# Altium PCB WS2812_MATRIX.PcbDoc (part 4 of 4) (continued)
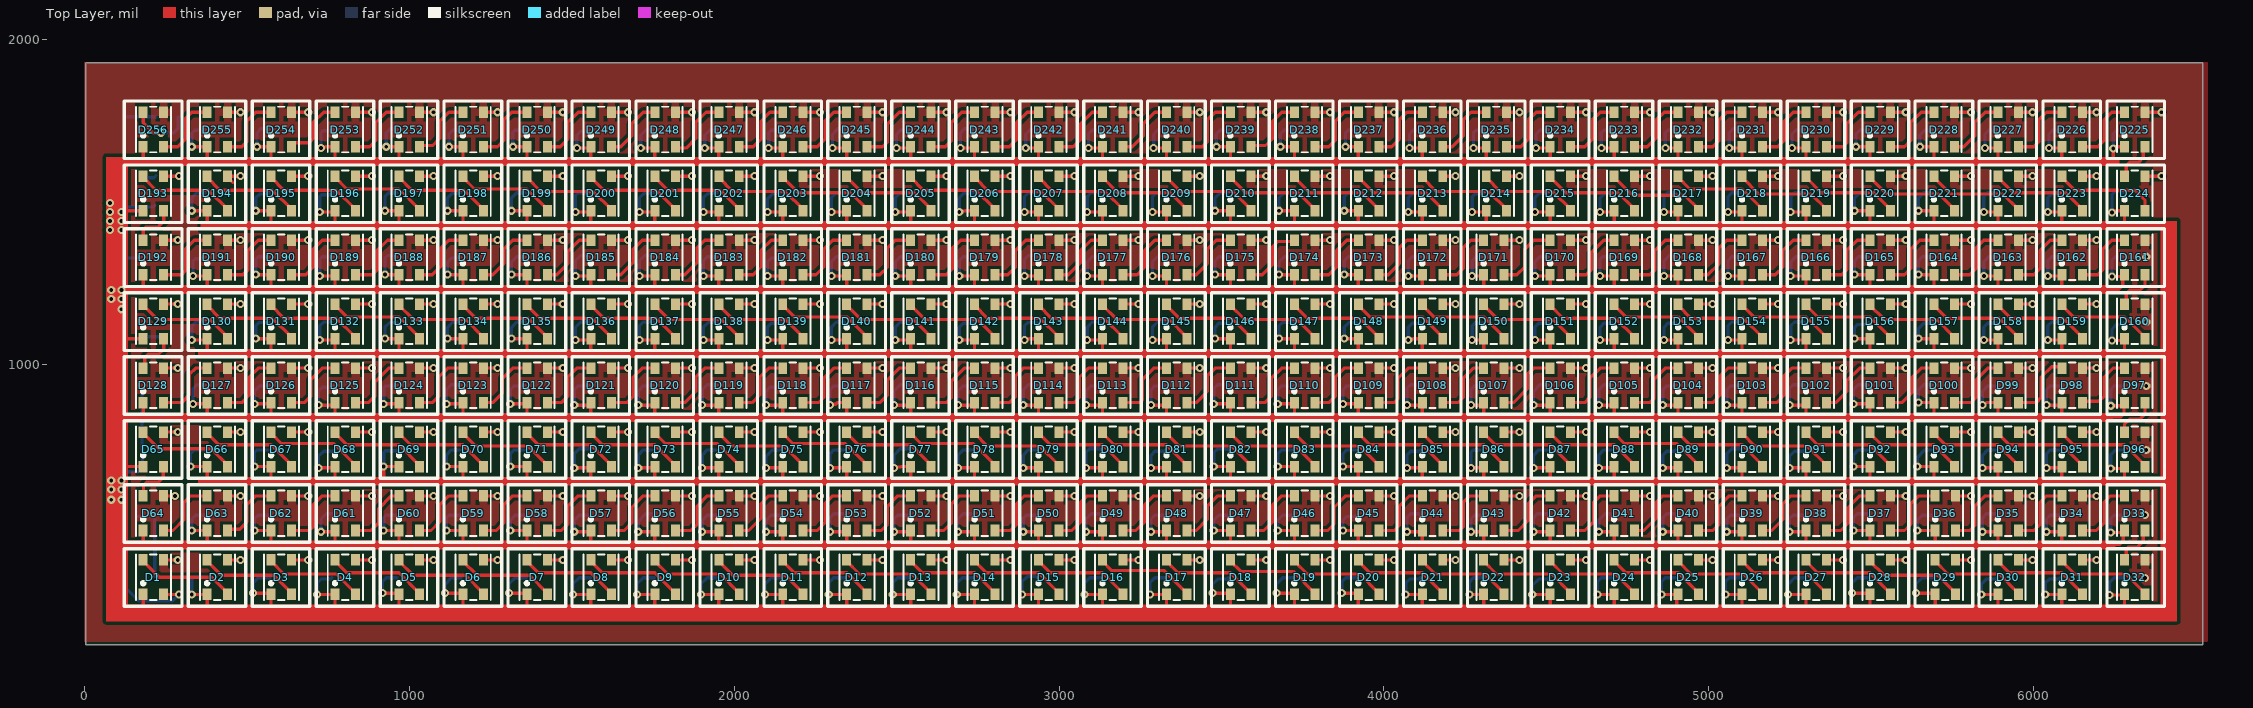
[diagram p0: Top Layer view]
## Nets (pads, with @x,y where several pads share a name; then routed paths per layer and width w, separated by ;. In a path a pad name is that pad's centre, name@x,y a point inside that pad or via, vN(x,y) a via of type N, cw(c..) or ccw(c..) an arc to the next point about the centre after c; other vN are vias at no path point) (continued)
  Bottom Layer w10: 110.24,665.35 114.17,669.29 165.35,669.29 179.03,682.97 C12.1@179.03,736.22 177.17,738.09 C113.1@177.17,905.51 ; v1(114.17,1413.39) 114.17,1342.52 129.92,1326.77 175.1,1326.77 C153.1@179.03,1330.71 ; 133.86,1484.25 212.6,1484.25 C2.1@216.54,1488.19 ; 164.02,531.34 164.17,531.5 C72.1@218.4,531.5 214.47,527.56 216.54,525.49 C114.1@216.54,346.46 ; 173.43,1573.92 213.78,1573.92 C256.1@220.47,1580.61 ; 198.92,1084.54 C71.1@244.09,1084.54 ; v1(326.77,685.04) 326.77,724.41 338.58,736.22 C23.1@374.02,736.22 ; v1(330.71,291.34) 330.71,322.83 330.71,338.58 338.58,346.46 370.08,346.46 C160.1@374.02,342.52 ; v1(330.71,488.19) 330.71,523.62 342.52,535.43 C159.1@374.02,535.43 ; v1(330.71,1074.8) 330.71,1118.11 342.52,1129.92 372.32,1129.92 C185.1@374.02,1128.23 ; v1(330.71,1472.44) 330.71,1511.81 346.46,1527.56 C103.1@374.02,1527.56 ; v1(330.71,1669.29) 330.71,1711.16 340.02,1720.47 C230.1@374.02,1720.47 C230.1@361.52,1707.97 ; v1(334.65,877.95) 334.65,925.2 346.46,937.01 370.08,937.01 C91.1@374.02,933.07 ; v1(334.65,1271.65) 334.65,1318.9 340.5,1324.76 368.06,1324.76 C90.1@374.02,1330.71 ; v1(519.69,295.28) 519.69,326.77 535.43,342.52 C127.1@570.87,342.52 ; v1(523.62,488.19) 523.62,523.62 535.43,535.43 C191.1@570.87,535.43 ; v1(523.62,685.04) 523.62,728.35 531.5,736.22 C22.1@570.87,736.22 ; v1(523.62,877.95) 523.62,917.32 539.37,933.07 C92.1@570.87,933.07 ; v1(527.56,1078.74) 527.56,1118.92 536.87,1128.23 C154.1@570.87,1128.23 ; v1(527.56,1275.59) 527.56,1322.84 535.43,1330.71 C89.1@570.87,1330.71 ; v1(527.56,1472.44) 527.56,1511.81 539.37,1523.62 566.93,1523.62 C231.1@570.87,1527.56 ; v1(531.5,1669.29) 531.5,1712.6 543.31,1724.41 C229.1@570.87,1724.41 ; v1(716.54,291.34) 716.54,326.77 728.35,338.58 757.77,338.58 C96.1@761.71,342.52 ; v1(720.47,681.1) 720.47,716.53 736.22,732.28 765.65,732.28 C44.1@769.58,736.22 ; v1(720.47,874.02) 720.47,917.32 732.28,929.13 765.65,929.13 C121.1@769.58,933.07 ; v1(724.41,1074.8) 724.41,1118.11 736.22,1129.92 760.01,1129.92 C61.1@761.71,1128.23 ; v1(724.41,1271.65) 724.41,1322.84 732.28,1330.71 C210.1@769.58,1330.71 ; v1(724.41,1468.5) 724.41,1515.75 730.27,1521.61 763.63,1521.61 C232.1@769.58,1527.56 ; v1(728.35,484.25) 728.35,523.62 744.09,539.37 765.65,539.37 C80.1@769.58,535.43 ; v1(728.35,1665.35) 728.35,1712.6 734.2,1718.46 763.63,1718.46 C228.1@769.58,1724.41 ; v1(917.32,295.28) 917.32,330.71 929.13,342.52 C82.1@962.5,342.52 ; v1(921.26,488.19) 921.26,528.2 928.5,535.43 C24.1@962.5,535.43 ; v1(921.26,685.04) 921.26,728.35 926.83,733.91 960.19,733.91 C43.1@962.5,736.22 ; v1(921.26,877.95) 921.26,927.21 927.12,933.07 C155.1@962.5,933.07 ; v1(925.2,1078.74) 925.2,1114.17 939.25,1128.23 C184.1@962.5,1128.23 ; v1(925.2,1275.59) 925.2,1326.77 933.07,1334.65 958.56,1334.65 C238.1@962.5,1330.71 ; v1(925.2,1472.44) 925.2,1515.75 937.01,1527.56 C233.1@962.5,1527.56 ; v1(929.13,1669.29) 929.13,1712.6 940.94,1724.41 958.56,1724.41 C227.1@962.5,1720.47 ; v1(1110.24,295.28) 1110.24,322.78 1129.98,342.52 C192.1@1159.35,342.52 ; v1(1114.17,488.19) 1114.17,527.56 1122.05,535.43 C8.1@1159.35,535.43 ; v1(1114.17,685.04) 1114.17,720.47 1129.92,736.22 C42.1@1159.35,736.22 ; v1(1114.17,877.95) 1114.17,921.26 1129.92,937.01 1155.41,937.01 C186.1@1159.35,933.07 ; v1(1118.11,1078.74) 1118.11,1114.17 1133.86,1129.92 1157.65,1129.92 C152.1@1159.35,1128.23 ; v1(1118.11,1275.59) 1118.11,1314.96 1129.92,1326.77 1155.41,1326.77 C178.1@1159.35,1330.71 ; v1(1118.11,1472.44) 1118.11,1511.81 1133.86,1527.56 C234.1@1159.35,1527.56 ; v1(1122.05,1669.29) 1122.05,1708.66 1133.86,1720.47 C226.1@1159.35,1720.47 ; v1(1307.09,295.28) 1307.09,323.47 1326.13,342.52 C224.1@1360.13,342.52 ; v1(1311.02,488.19) 1311.02,520.32 1326.13,535.43 C9.1@1360.13,535.43 ; v1(1311.02,685.04) 1311.02,724.41 1322.84,736.22 C40.1@1360.13,736.22 ; v1(1311.02,877.95) 1311.02,921.26 1322.83,933.07 C93.1@1360.13,933.07 ; v1(1314.96,1078.74) 1314.96,1114.17 1330.71,1129.92 1358.44,1129.92 C216.1@1360.13,1128.23 ; v1(1314.96,1275.59) 1314.96,1314.96 1330.71,1330.71 C209.1@1360.13,1330.71 ; v1(1314.96,1472.44) 1314.96,1511.81 1330.71,1527.56 C235.1@1360.13,1527.56 ; v1(1318.9,1669.29) 1318.9,1714.61 1324.76,1720.47 C225.1@1360.13,1720.47 ; v1(1503.94,291.34) 1503.94,323.47 1522.98,342.52 C255.1@1556.98,342.52 ; v1(1507.87,484.25) 1507.87,519.69 1519.68,531.5 1519.68,532.13 1522.98,535.43 C11.1@1556.98,535.43 ; v1(1507.87,681.1) 1507.87,724.41 1523.62,740.16 1553.05,740.16 C52.1@1556.98,736.22 ; v1(1507.87,874.02) 1507.87,921.26 1519.68,933.07 C217.1@1556.98,933.07 ; v1(1511.81,1074.8) 1511.81,1114.17 1527.56,1129.92 1555.29,1129.92 C151.1@1556.98,1128.23 ; v1(1511.81,1271.65) 1511.81,1318.9 1527.56,1334.65 1553.05,1334.65 C237.1@1556.98,1330.71 ; v1(1511.81,1468.5) 1511.81,1519.69 1519.69,1527.56 C135.1@1556.98,1527.56 ; v1(1515.75,1665.35) 1515.75,1704.72 1527.56,1716.54 1553.05,1716.54 C102.1@1556.98,1720.47 ; v1(1700.79,291.34) 1700.79,323.47 1719.83,342.52 C110.1@1753.83,342.52 ; v1(1704.72,484.25) 1704.72,515.75 1728.35,539.37 1749.9,539.37 C21.1@1753.83,535.43 ; v1(1704.72,681.1) 1704.72,720.47 1720.47,736.22 C53.1@1753.83,736.22 ; v1(1704.72,874.02) 1704.72,917.32 1720.47,933.07 C187.1@1753.83,933.07 ; v1(1708.66,1074.8) 1708.66,1118.11 1720.47,1129.92 1752.14,1129.92 C215.1@1753.83,1128.23 ; v1(1708.66,1271.65) 1708.66,1318.9 1724.41,1334.65 1749.9,1334.65 C146.1@1753.83,1330.71 ; v1(1708.66,1468.5) 1708.66,1511.81 1724.41,1527.56 C167.1@1753.83,1527.56 ; v1(1712.6,1665.35) 1712.6,1704.72 1728.35,1720.47 C101.1@1753.83,1720.47 ; v1(1897.64,291.34) 1897.64,323.47 1916.68,342.52 C111.1@1950.68,342.52 ; v1(1901.57,484.25) 1901.57,520.32 1916.68,535.43 C10.1@1950.68,535.43 ; v1(1901.57,681.1) 1901.57,720.47 1917.32,736.22 C54.1@1950.68,736.22 ; v1(1901.57,874.02) 1901.57,921.26 1917.32,937.01 1946.75,937.01 C218.1@1950.68,933.07 ; v1(1905.51,1074.8) 1905.51,1114.17 1921.26,1129.92 1948.99,1129.92 C183.1@1950.68,1128.23 ; v1(1905.51,1271.65) 1905.51,1318.9 1917.32,1330.71 C145.1@1950.68,1330.71 ; v1(1905.51,1468.5) 1905.51,1511.81 1921.26,1527.56 C168.1@1950.69,1527.56 ; v1(1909.45,1665.35) 1909.45,1704.72 1925.2,1720.47 C97.1@1950.69,1720.47 ; v1(2094.49,291.34) 2094.49,322.83 2106.3,334.65 2106.3,335.28 2113.54,342.52 C34.1@2147.54,342.52 ; v1(2098.43,484.25) 2098.43,520.32 2113.54,535.43 C20.1@2147.54,535.43 ; v1(2098.43,681.1) 2098.43,716.54 2118.11,736.22 C55.1@2147.54,736.22 ; v1(2098.43,874.02) 2098.43,917.32 2110.24,929.13 2143.6,929.13 C219.1@2147.54,933.07 ; v1(2102.36,1074.8) 2102.36,1114.17 2114.17,1125.98 2145.29,1125.98 C214.1@2147.54,1128.23 ; v1(2102.36,1271.65) 2102.36,1314.96 2114.17,1326.77 2143.6,1326.77 C177.1@2147.54,1330.71 ; v1(2102.36,1468.5) 2102.36,1507.87 2122.05,1527.56 C136.1@2147.54,1527.56 ; v1(2106.3,1665.35) 2106.3,1712.6 2114.17,1720.47 C98.1@2147.54,1720.47 ; v1(2291.34,291.34) 2291.34,327.41 2306.45,342.52 C109.1@2340.45,342.52 ; v1(2295.28,484.25) 2295.28,527.56 2307.09,539.37 2336.51,539.37 C19.1@2340.45,535.43 ; v1(2295.28,681.1) 2295.28,724.41 2307.09,736.22 C56.1@2340.45,736.22 ; v1(2295.28,874.02) 2295.28,921.26 2307.09,933.07 C188.1@2340.45,933.07 ; v1(2299.21,1074.8) 2299.21,1114.17 2314.96,1129.92 2338.75,1129.92 C182.1@2340.45,1128.23 ; v1(2299.21,1271.65) 2299.21,1314.96 2314.96,1330.71 C176.1@2340.45,1330.71 ; v1(2299.21,1468.5) 2299.21,1511.81 2314.96,1527.56 C199.1@2340.45,1527.56 ; v1(2303.15,1665.35) 2303.15,1708.66 2318.9,1724.41 2336.51,1724.41 C99.1@2340.45,1720.47 ; v1(2488.19,291.34) 2488.19,326.77 2503.94,342.52 C243.1@2541.24,342.52 ; v1(2492.13,484.25) 2492.13,523.62 2503.94,535.43 C39.1@2541.24,535.43 ; v1(2492.13,681.1) 2492.13,720.47 2511.81,740.16 2537.3,740.16 C60.1@2541.24,736.22 ; v1(2492.13,874.02) 2492.13,917.32 2511.81,937.01 2537.3,937.01 C220.1@2541.24,933.07 ; v1(2496.06,1074.8) 2496.06,1114.17 2511.81,1129.92 2539.54,1129.92 C181.1@2541.24,1128.23 ; v1(2496.06,1271.65) 2496.06,1314.96 2511.81,1330.71 C208.1@2541.24,1330.71 ; v1(2496.06,1468.5) 2496.06,1511.81 2511.81,1527.56 C200.1@2541.24,1527.56 ; v1(2500,1665.35) 2500,1708.66 2511.81,1720.47 C100.1@2541.24,1720.47 ; v1(2685.04,291.34) 2685.04,325.34 2702.22,342.52 C244.1@2736.22,342.52 ; v1(2688.98,484.25) 2688.98,523.62 2704.72,539.37 2732.28,539.37 C240.1@2736.22,535.43 ; v1(2688.98,681.1) 2688.98,720.47 2704.72,736.22 C28.1@2736.22,736.22 ; v1(2688.98,874.02) 2688.98,917.32 2704.72,933.07 C221.1@2736.22,933.07 ; v1(2692.91,1074.8) 2692.91,1114.17 2704.72,1125.98 2733.98,1125.98 C213.1@2736.22,1128.23 ; v1(2692.91,1271.65) 2692.91,1318.9 2704.72,1330.71 C207.1@2736.22,1330.71 ; v1(2692.91,1468.5) 2692.91,1511.81 2708.66,1527.56 C169.1@2736.22,1527.56 ; v1(2696.85,1665.35) 2696.85,1712.6 2708.66,1724.41 2732.28,1724.41 C134.1@2736.22,1720.47 ; v1(2885.83,291.34) 2885.83,330.71 2901.57,346.46 2929.14,346.46 C245.1@2933.07,342.52 ; v1(2889.76,484.25) 2889.76,526.13 2899.07,535.43 C239.1@2933.07,535.43 ; v1(2889.76,681.1) 2889.76,720.47 2905.51,736.22 C29.1@2933.07,736.22 ; v1(2889.76,874.02) 2889.76,921.26 2905.51,937.01 2929.14,937.01 C156.1@2933.07,933.07 ; v1(2893.7,1074.8) 2893.7,1118.11 2903.82,1128.23 C212.1@2933.07,1128.23 ; v1(2893.7,1271.65) 2893.7,1322.83 2905.51,1334.65 2929.13,1334.65 C175.1@2933.07,1330.71 ; v1(2893.7,1468.5) 2893.7,1515.75 2905.51,1527.56 C137.1@2933.07,1527.56 ; v1(2897.64,1665.35) 2897.64,1708.66 2909.45,1720.47 C131.1@2933.07,1720.47 ; v1(3078.74,291.34) 3078.74,326.77 3094.49,342.52 C246.1@3127.85,342.52 ; v1(3082.68,484.25) 3082.68,523.62 3098.43,539.37 3123.91,539.37 C242.1@3127.85,535.43 ; v1(3082.68,681.1) 3082.68,728.35 3094.49,740.16 3123.91,740.16 C30.1@3127.85,736.22 ; v1(3082.68,874.02) 3082.68,917.32 3098.43,933.07 C122.1@3127.85,933.07 ; v1(3086.61,1074.8) 3086.61,1114.17 3102.36,1129.92 3126.16,1129.92 C180.1@3127.85,1128.23 ; v1(3086.61,1271.65) 3086.61,1314.96 3102.36,1330.71 C36.1@3127.85,1330.71 ; v1(3086.61,1468.5) 3086.61,1515.75 3098.43,1527.56 C104.1@3127.85,1527.56 ; v1(3090.55,1665.35) 3090.55,1708.66 3102.36,1720.47 C130.1@3127.85,1720.47 ; v1(3279.53,291.34) 3279.53,326.77 3295.28,342.52 C247.1@3328.64,342.52 ; v1(3283.46,484.25) 3283.46,523.62 3295.28,535.43 C241.1@3328.64,535.43 ; v1(3283.46,681.1) 3283.46,720.47 3295.28,732.28 3324.7,732.28 C62.1@3328.64,736.22 ; v1(3283.46,874.02) 3283.46,921.26 3295.28,933.07 C249.1@3328.64,933.07 ; v1(3287.4,1074.8) 3287.4,1114.17 3303.15,1129.92 3326.94,1129.92 C211.1@3328.64,1128.23 ; v1(3287.4,1271.65) 3287.4,1314.96 3303.15,1330.71 C144.1@3328.64,1330.71 ; v1(3287.4,1468.5) 3287.4,1515.75 3299.21,1527.56 C201.1@3328.64,1527.56 ; v1(3291.34,1665.35) 3291.34,1708.66 3303.15,1720.47 C129.1@3328.64,1720.47 ; v1(3472.44,295.28) 3472.44,322.78 3488.25,338.58 3517.61,338.58 C248.1@3521.55,342.52 ; v1(3476.38,488.19) 3476.38,519.69 3492.13,535.43 C95.1@3519.68,535.43 ; v1(3476.38,685.04) 3476.38,728.35 3488.19,740.16 3517.61,740.16 C59.1@3521.55,736.22 ; v1(3476.38,877.95) 3476.38,925.2 3488.19,937.01 3517.61,937.01 C250.1@3521.55,933.07 ; v1(3480.32,1078.74) 3480.32,1114.17 3492.13,1125.98 3519.31,1125.98 C118.1@3521.55,1128.23 ; v1(3480.32,1275.59) 3480.32,1318.9 3492.13,1330.71 C143.1@3521.55,1330.71 ; v1(3480.32,1472.44) 3480.32,1511.81 3496.06,1527.56 C138.1@3521.55,1527.56 ; v1(3484.25,1669.29) 3484.25,1708.66 3496.06,1720.47 C132.1@3521.55,1720.47 ; v1(3669.29,295.28) 3669.29,322.84 3688.98,342.52 C41.1@3722.34,342.52 ; v1(3673.23,488.19) 3673.23,520.32 3688.34,535.43 C50.1@3722.34,535.43 ; v1(3673.23,685.04) 3673.23,724.41 3685.04,736.22 C27.1@3722.34,736.22 ; v1(3673.23,877.95) 3673.23,921.26 3685.04,933.07 C189.1@3722.34,933.07 ; v1(3677.17,1078.74) 3677.17,1118.11 3687.28,1128.23 C150.1@3722.34,1128.23 ; v1(3677.17,1275.59) 3677.17,1314.96 3692.91,1330.71 C35.1@3722.34,1330.71 ; v1(3677.17,1472.44) 3677.17,1511.81 3692.91,1527.56 C170.1@3722.34,1527.56 ; v1(3681.1,1669.29) 3681.1,1708.66 3692.91,1720.47 C133.1@3722.34,1720.47 ; v1(3870.08,295.28) 3870.08,330.71 3881.89,342.52 C74.1@3915.25,342.52 ; v1(3874.02,488.19) 3874.02,519.69 3885.83,531.5 3911.31,531.5 C18.1@3915.25,535.43 ; v1(3874.02,685.04) 3874.02,724.41 3885.83,736.22 C58.1@3915.25,736.22 ; v1(3874.02,877.95) 3874.02,921.26 3885.83,933.07 C157.1@3915.25,933.07 ; v1(3877.95,1078.74) 3877.95,1114.17 3892.01,1128.23 C149.1@3915.25,1128.23 ; v1(3877.95,1275.59) 3877.95,1318.9 3889.76,1330.71 C206.1@3915.25,1330.71 ; v1(3877.95,1472.44) 3877.95,1515.75 3893.7,1531.5 3911.32,1531.5 C202.1@3915.25,1527.56 ; v1(3881.89,1669.29) 3881.89,1712.6 3889.76,1720.47 C65.1@3915.25,1720.47 ; v1(4066.93,291.34) 4066.93,326.77 4078.74,338.58 4108.17,338.58 C6.1@4112.1,342.52 ; v1(4070.87,484.25) 4070.87,527.56 4082.68,539.37 4108.17,539.37 C49.1@4112.1,535.43 ; v1(4070.87,681.1) 4070.87,720.47 4082.68,732.28 4108.17,732.28 C26.1@4112.1,736.22 ; v1(4070.87,874.02) 4070.87,925.2 4082.68,937.01 4108.17,937.01 C123.1@4112.1,933.07 ; v1(4074.8,1074.8) 4074.8,1114.17 4086.61,1125.98 4109.86,1125.98 C179.1@4112.1,1128.23 ; v1(4074.8,1271.65) 4074.8,1318.9 4086.61,1330.71 C174.1@4112.1,1330.71 ; v1(4074.8,1468.5) 4074.8,1511.81 4090.55,1527.56 C105.1@4112.1,1527.56 ; v1(4078.74,1665.35) 4078.74,1708.66 4090.55,1720.47 C66.1@4112.1,1720.47 ; v1(4263.78,291.34) 4263.78,330.71 4275.59,342.52 C5.1@4308.95,342.52 ; v1(4267.72,484.25) 4267.72,523.62 4279.53,535.43 C17.1@4308.95,535.43 ; v1(4267.72,681.1) 4267.72,728.35 4275.59,736.22 C25.1@4297.13,736.22 ; v1(4267.72,874.02) 4267.72,921.26 4279.53,933.07 C94.1@4308.95,933.07 ; v1(4271.65,1074.8) 4271.65,1118.11 4279.53,1125.98 4306.71,1125.98 C148.1@4308.95,1128.23 ; v1(4271.65,1271.65) 4271.65,1318.9 4283.46,1330.71 C142.1@4308.95,1330.71 ; v1(4271.65,1468.5) 4271.65,1515.75 4279.53,1523.62 4305.02,1523.62 C106.1@4308.95,1527.56 ; v1(4275.59,1665.35) 4275.59,1712.6 4283.46,1720.47 C37.1@4308.95,1720.47 ; v1(4456.69,291.34) 4456.69,318.9 4476.38,338.58 4503.94,338.58 C4.1@4507.87,342.52 ; v1(4460.63,484.25) 4460.63,527.56 4472.44,539.37 4503.94,539.37 C48.1@4507.87,535.43 ; v1(4460.63,681.1) 4460.63,720.47 4476.38,736.22 C31.1@4507.87,736.22 ; v1(4460.63,874.02) 4460.63,917.32 4480.31,937.01 4503.94,937.01 C124.1@4507.87,933.07 ; v1(4464.57,1074.8) 4464.57,1114.17 4476.38,1125.98 4505.63,1125.98 C83.1@4507.87,1128.23 ; v1(4464.57,1271.65) 4464.57,1314.96 4480.31,1330.71 C33.1@4507.87,1330.71 ; v1(4464.57,1468.5) 4464.57,1511.81 4480.31,1527.56 C107.1@4507.87,1527.56 ; v1(4468.5,1665.35) 4468.5,1708.66 4480.31,1720.47 C67.1@4507.87,1720.47 ; v1(4657.48,291.34) 4657.48,330.71 4669.29,342.52 C3.1@4700.79,342.52 ; v1(4661.42,484.25) 4661.42,519.69 4681.1,539.37 4696.85,539.37 C47.1@4700.79,535.43 ; v1(4661.42,681.1) 4661.42,720.47 4677.17,736.22 C32.1@4700.79,736.22 ; v1(4661.42,874.02) 4661.42,921.26 4677.17,937.01 4696.85,937.01 C158.1@4700.79,933.07 ; v1(4665.35,1074.8) 4665.35,1114.17 4677.17,1125.98 4698.54,1125.98 C117.1@4700.79,1128.23 ; v1(4665.35,1271.65) 4665.35,1322.83 4673.23,1330.71 C141.1@4700.79,1330.71 ; v1(4665.35,1468.5) 4665.35,1511.81 4681.1,1527.56 C236.1@4700.79,1527.56 ; v1(4669.29,1665.35) 4669.29,1712.6 4677.17,1720.47 C38.1@4700.79,1720.47 ; v1(4854.33,291.34) 4854.33,330.71 4866.14,342.52 C81.1@4897.64,342.52 ; v1(4858.27,484.25) 4858.27,527.56 4870.08,539.37 4893.7,539.37 C46.1@4897.64,535.43 ; v1(4858.27,681.1) 4858.27,720.47 4870.08,732.28 4893.7,732.28 C64.1@4897.64,736.22 ; v1(4858.27,874.02) 4858.27,921.26 4870.08,933.07 C190.1@4897.64,933.07 ; v1(4862.2,1074.8) 4862.2,1114.17 4874.02,1125.98 4895.39,1125.98 C147.1@4897.64,1128.23 ; v1(4862.2,1271.65) 4862.2,1318.9 4877.95,1334.65 4893.7,1334.65 C205.1@4897.64,1330.71 ; v1(4862.2,1468.5) 4862.2,1515.75 4874.02,1527.56 C108.1@4897.64,1527.56 ; v1(4866.14,1665.35) 4866.14,1712.6 4874.02,1720.47 C68.1@4897.64,1720.47 ; v1(5051.18,291.34) 5051.18,330.71 5062.99,342.52 C7.1@5098.43,342.52 ; v1(5055.12,484.25) 5055.12,523.62 5066.93,535.43 C1.1@5098.43,535.43 ; v1(5055.12,681.1) 5055.12,724.41 5070.87,740.16 5094.49,740.16 C63.1@5098.43,736.22 ; v1(5055.12,874.02) 5055.12,921.26 5066.93,933.07 C222.1@5098.42,933.07 ; v1(5059.06,1074.8) 5059.06,1118.11 5070.87,1129.92 5096.73,1129.92 C84.1@5098.42,1128.23 ; v1(5059.06,1271.65) 5059.06,1318.9 5070.87,1330.71 C173.1@5098.42,1330.71 ; v1(5059.06,1468.5) 5059.06,1515.75 5070.87,1527.56 C171.1@5098.43,1527.56 ; v1(5062.99,1665.35) 5062.99,1712.6 5074.8,1724.41 5094.49,1724.41 C166.1@5098.43,1720.47 ; v1(5244.09,291.34) 5244.09,322.83 5263.78,342.52 C76.1@5295.28,342.52 ; v1(5248.03,484.25) 5248.03,523.62 5259.84,535.43 C45.1@5295.28,535.43 ; v1(5248.03,681.1) 5248.03,716.54 5263.78,732.28 5291.34,732.28 C57.1@5295.28,736.22 ; v1(5248.03,874.02) 5248.03,925.2 5259.84,937.01 5291.34,937.01 C125.1@5295.28,933.07 ; v1(5251.97,1074.8) 5251.97,1118.11 5263.78,1129.92 5293.58,1129.92 C116.1@5295.28,1128.23 ; v1(5251.97,1271.65) 5251.97,1314.96 5267.72,1330.71 C69.1@5295.28,1330.71 ; v1(5251.97,1468.5) 5251.97,1515.75 5263.78,1527.56 C139.1@5295.28,1527.56 ; v1(5255.91,1665.35) 5255.91,1708.66 5267.72,1720.47 C165.1@5295.28,1720.47 ; v1(5440.94,295.28) 5440.94,326.77 5456.69,342.52 C75.1@5492.13,342.52 ; v1(5444.88,488.19) 5444.88,527.56 5456.69,539.37 5488.19,539.37 C16.1@5492.13,535.43 ; v1(5444.88,685.04) 5444.88,720.47 5460.63,736.22 C78.1@5492.13,736.22 ; v1(5444.88,877.95) 5444.88,921.26 5460.63,937.01 5488.19,937.01 C126.1@5492.13,933.07 ; v1(5448.82,1078.74) 5448.82,1114.17 5456.69,1122.05 5485.95,1122.05 C115.1@5492.13,1128.23 ; v1(5448.82,1275.59) 5448.82,1318.9 5460.63,1330.71 C70.1@5492.13,1330.71 ; v1(5448.82,1472.44) 5448.82,1511.81 5464.57,1527.56 C203.1@5492.13,1527.56 ; v1(5452.76,1669.29) 5452.76,1708.66 5464.57,1720.47 C164.1@5492.13,1720.47 ; v1(5637.8,295.28) 5637.8,323.47 5656.84,342.52 C79.1@5690.84,342.52 ; v1(5641.73,488.19) 5641.73,520.33 5656.84,535.43 C15.1@5690.84,535.43 ; v1(5641.73,685.04) 5641.73,712.6 5665.35,736.22 C77.1@5690.84,736.22 ; v1(5645.67,881.89) 5645.67,921.26 5661.42,937.01 5686.91,937.01 C51.1@5690.84,933.07 ; v1(5645.67,1078.74) 5645.67,1110.24 5661.42,1125.98 5688.6,1125.98 C85.1@5690.84,1128.23 ; v1(5645.67,1275.59) 5645.67,1318.9 5657.48,1330.71 C161.1@5690.84,1330.71 ; v1(5645.67,1472.44) 5645.67,1511.81 5661.42,1527.56 C172.1@5690.84,1527.56 ; v1(5649.61,1669.29) 5649.61,1704.72 5665.35,1720.47 C163.1@5690.84,1720.47 ; v1(5838.58,291.34) 5838.58,322.83 5854.33,338.58 5883.76,338.58 C73.1@5887.69,342.52 ; v1(5842.52,484.25) 5842.52,527.56 5854.33,539.37 5883.76,539.37 C14.1@5887.69,535.43 ; v1(5842.52,681.1) 5842.52,720.47 5858.27,736.22 C120.1@5887.69,736.22 ; v1(5842.52,874.02) 5842.52,917.32 5858.27,933.07 C251.1@5887.69,933.07 ; v1(5846.46,1074.8) 5846.46,1114.17 5858.27,1125.98 5885.45,1125.98 C86.1@5887.69,1128.23 ; v1(5846.46,1271.65) 5846.46,1314.96 5862.2,1330.71 C193.1@5887.69,1330.71 ; v1(5846.46,1468.5) 5846.46,1515.75 5858.27,1527.56 C140.1@5887.69,1527.56 ; v1(5850.39,1665.35) 5850.39,1708.66 5862.2,1720.47 C162.1@5887.69,1720.47 ; v1(6035.43,291.34) 6035.43,326.77 6047.24,338.58 6076.67,338.58 C128.1@6080.61,342.52 ; v1(6039.37,484.25) 6039.37,523.62 6051.18,535.43 C13.1@6080.61,535.43 ; v1(6039.37,681.1) 6039.37,724.41 6051.18,736.22 C119.1@6080.61,736.22 ; v1(6039.37,874.02) 6039.37,921.26 6051.18,933.07 C252.1@6080.61,933.07 ; v1(6043.31,1074.8) 6043.31,1118.11 6055.12,1129.92 6078.91,1129.92 C87.1@6080.61,1128.23 ; v1(6043.31,1271.65) 6043.31,1318.9 6055.12,1330.71 C194.1@6080.61,1330.71 ; v1(6043.31,1468.5) 6043.31,1511.81 6059.06,1527.56 C204.1@6080.61,1527.56 ; v1(6047.24,1665.35) 6047.24,1708.66 6059.06,1720.47 C196.1@6080.61,1720.47 ; v1(6233.08,289.42) 6233.08,327.57 6248.03,342.52 C112.1@6275.59,342.52 ; v1(6237.02,482.33) 6237.02,524.42 6248.03,535.43 C223.1@6277.46,535.43 ; v1(6237.02,679.18) 6237.02,721.27 6251.97,736.22 C254.1@6277.46,736.22 ; v1(6237.02,872.1) 6237.02,922.06 6248.03,933.07 C253.1@6277.46,933.07 ; v1(6240.95,1072.88) 6240.95,1107.1 6256.23,1122.37 6271.6,1122.37 C88.1@6277.46,1128.23 ; v1(6240.95,1269.73) 6240.95,1319.69 6251.97,1330.71 C198.1@6277.46,1330.71 ; v1(6240.95,1466.58) 6240.95,1522.83 6249.62,1531.5 6273.52,1531.5 C197.1@6277.46,1527.56 ; v1(6244.89,1663.43) 6244.89,1709.46 6255.91,1720.47 C195.1@6277.46,1720.47
  other v1: 82.68,582.68 114.17,582.68 82.68,614.17 114.17,614.17 82.68,641.73 114.17,641.73 114.17,1169.29 82.68,1200.79 114.17,1200.79 82.68,1228.35 114.17,1228.35 78.74,1413.39 78.74,1440.94 114.17,1440.94 78.74,1468.5 114.17,1468.5 78.74,1496.06

## Polygon pours and split planes (outlines as drawn)
GND on Top Layer (solid, remove dead copper, pour order 14): 0,1929.13 0,145.67 6539.37,145.67 6535.43,149.61 6535.43,1929.13
no net on Top Layer "Top Layer-No Net" (solid, pour order 0): 94.49,1645.67
GND on Bottom Layer (solid, pour order 16): 0,1921.26 0,141.73 11.81,129.92 6535.43,129.92 6535.43,1921.26 6531.5,1925.2
VCC on Bottom Layer "Bottom Layer-VCC" (solid, pour order 10): 66.93,685.04 66.93,448.82 185.04,448.82 185.04,547.24 149.61,547.24 133.86,562.99 133.86,685.04
VCC on Bottom Layer "Bottom Layer-VCC 1" (solid, pour order 8): 43.31,1244.09 43.31,1035.43 204.72,1035.43 204.72,1114.17 173.23,1145.67 133.86,1145.67 133.86,1244.09
VCC on Bottom Layer "Bottom Layer-VCC 2" (solid, pour order 6): 66.93,1610.24 66.93,1397.64 145.67,1397.64 145.67,1496.63 185.04,1541.62 185.04,1610.24
no net on Bottom Layer "Bottom Layer-No Net" (solid, pour order 4): 74.8,1590.55

## Other copper
Top Layer:
  rectangle net VCC: 6389.76,232.28 6440.94,1440.94
  rectangle net VCC: 66.93,208.66 133.86,1637.8
  rectangle net VCC: 90.55,208.66 6440.94,259.84
  rectangle net VCC: 110.24,429.13 6251.97,456.69
  rectangle net VCC: 350.39,625.98 6401.57,653.54
  rectangle net VCC: 110.24,822.83 6244.09,850.39
  rectangle net VCC: 350.39,1019.69 6397.64,1047.24
  rectangle net VCC: 110.24,1216.54 6240.16,1244.09
  rectangle net VCC: 358.27,1413.39 6413.39,1440.94
  rectangle net VCC: 110.24,1610.24 6263.78,1637.8

## Silkscreen, mask and mechanical layers (free items; w line width, h text height)
Top Overlay:
  drawing of 1024 lines, arcs and shapes, not listed
Bottom Overlay:
  lines w10: 44.37,176.44 44.37,1889.04 6481.38,1889.04 6481.38,176.44 44.37,176.44
  text "DIN" at 39.37,1799.21 h50 r90
  text "GND" at 39.37,1704.72 h50 r90
  text "VCC" at 39.37,1586.61 h50 r90
  text "VCC" at 39.37,1137.8 h50 r90
  text "GND" at 39.37,1035.43 h50 r90
  text "VCC" at 39.37,555.12 h50 r90
  text "GND" at 39.37,452.76 h50 r90
  text "DOUT" at 39.37,350.39 h50 r90
Mechanical 1:
  the board outline again, w10